# Altium PCB Nixie_PCB.PcbDoc (part 1 of 2)
Units mil, origin at the board's own origin, x right, y up, seen from the top; angles counter-clockwise.
Board outline 9450 x 3149.61 mil, 2 copper layers (Top Layer, Bottom Layer); 131 components, 158 nets, 577 pads, 248 vias.
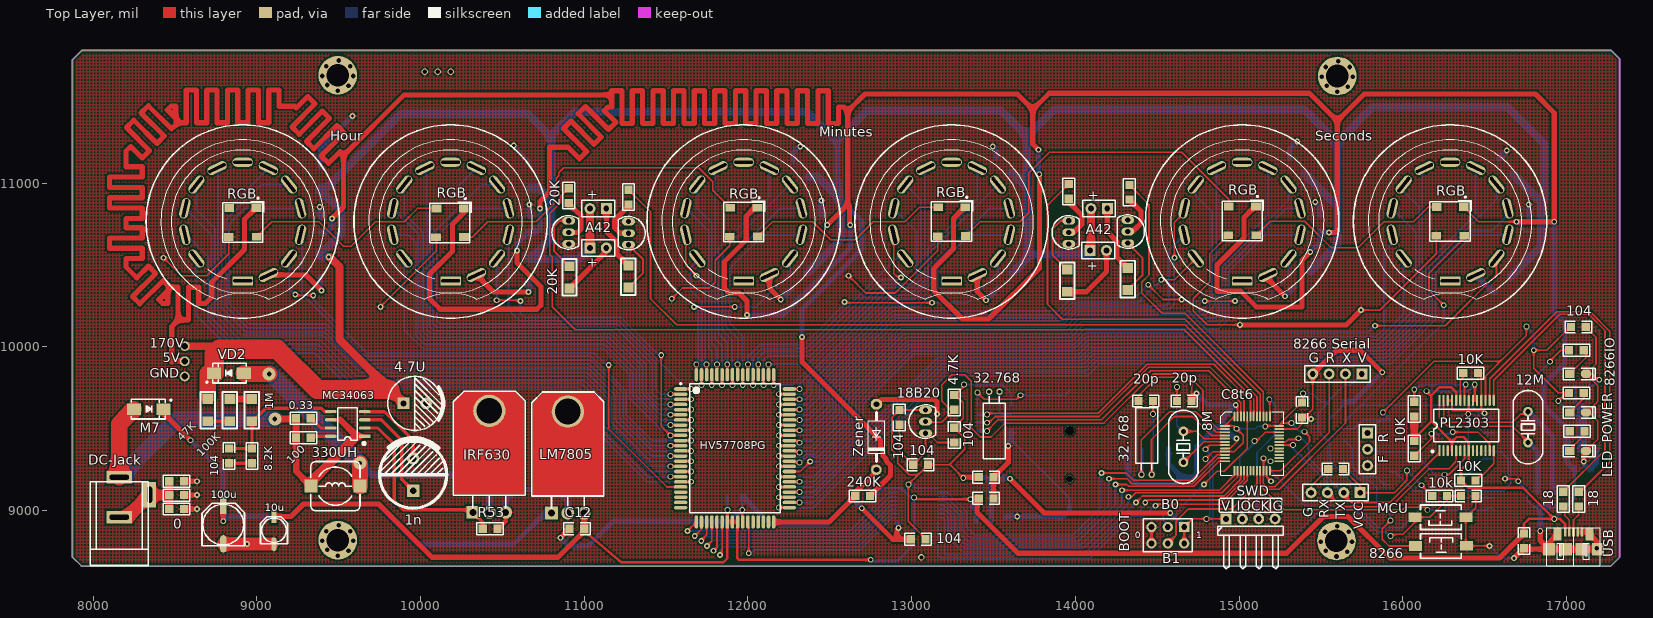
[diagram p0: Top Layer view]
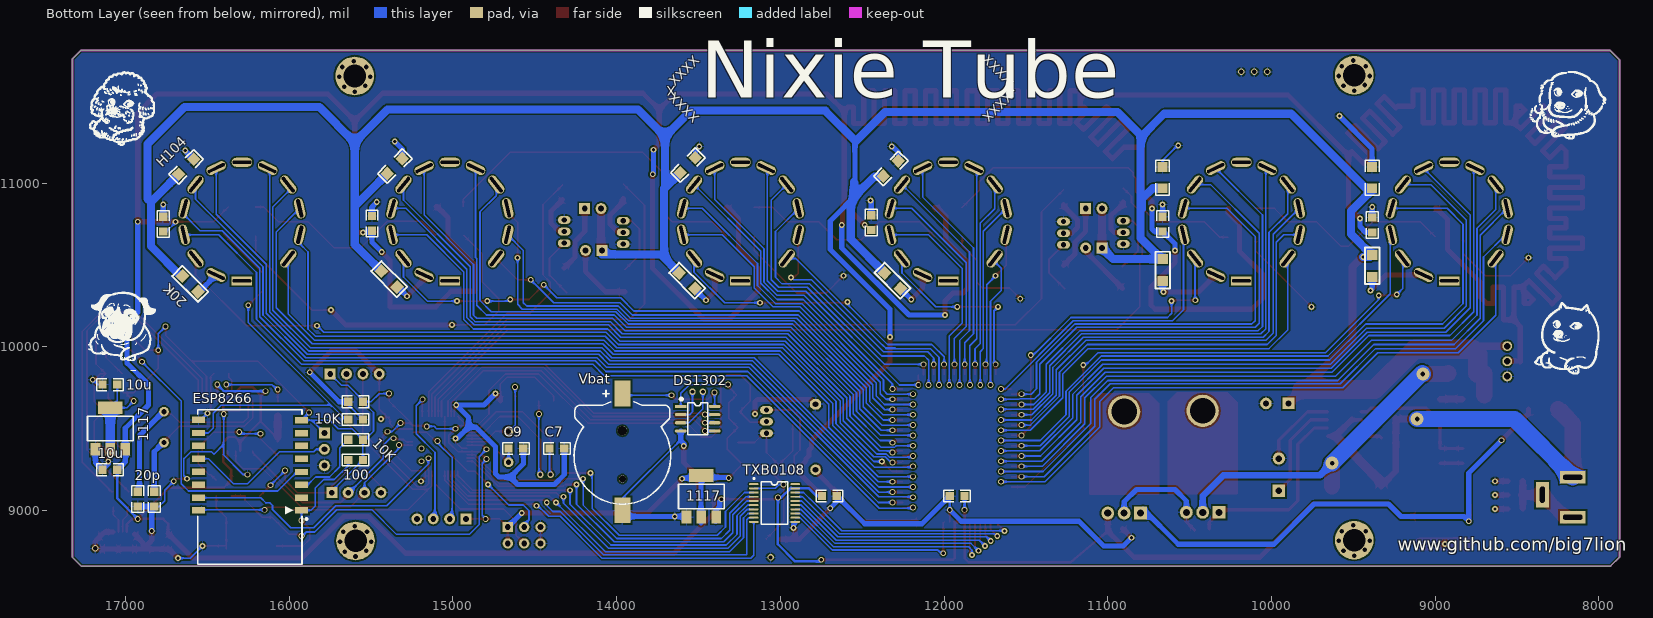
[diagram p1: Bottom Layer view, seen from below]

## Layer stack, top to bottom
Top Solder: solder mask 0.4, Solder Resist, Dk 3.5
Top Layer: signal copper 1.4
Dielectric 1: dielectric 12.6, FR-4, Dk 4.8
Bottom Layer: signal copper 1.4
Bottom Solder: solder mask 0.4, Solder Resist, Dk 3.5

## Board outline
7928.58,8661.42 7874.02,8715.98 7874.02,11754.02 7931.02,11811.02 17273.98,11811.02 17324.02,11760.98 17324.02,8714.02 17271.42,8661.42

## Design rules (kind name [scope] priority, off if disabled: settings)
Clearance [All] p1: gap=6
PolygonConnect [All] p1: connectstyle=Relief reliefconductorwidth=10 reliefentries=4 polygonreliefangle="90 Angle" airgapwidth=10
RoutingVias [All] p1: holewidth=23.62 width=35.43 viastyle="Through Hole" minholewidth=15.75 minwidth=23.62 maxholewidth=28 maxwidth=50
SolderMaskExpansion [All] p1: expansion=4
Width [All] p1: maxlimit=118.11 minlimit=10 preferedwidth=31.5
30 further rules are at their usual default settings.

## Classes and differential pairs
component class Nixie_Sch: C7 C9 C12 LED3 LED4 LED5 LED6 LED7 R53 VD2

## Components (designator, comment, footprint, x,y, rotation, side; value= is the part's Value field where it differs from the comment)
0 "0Ω" "R 0805" 8510,9095 r0 top (schematic designator R00)
0.33 "0.33" "R 0805" 9285,9565 r180 top (schematic designator R52)
1M "1M" "R 1206" 8970,9614.09 r90 top (schematic designator R56)
1n "1n" "CS 5.0*10*13 - C" 9955,9220 r270 top (schematic designator C502)
4.7K "4.7K" "R 0805" 13260,9661.73 r270 top (schematic designator R71)
4.7U "4.7UF/250V" "CAP 3.5*8*11.5 - BK" 9965,9655 r0 top (schematic designator C504)
8.2K "8.2K" "R 0805" 8970,9335 r90 top (schematic designator R57)
8M "8MHz" "XTAL-49S DIP" 14660,9390 r270 top (schematic designator X2)
10K "10k" "R 0805" 15595,9556.67 r180 bottom (schematic designator R63)
10K "100" "R 0805" 15595,9433.33 r0 bottom (schematic designator R61)
10K "10K" "R 0805" 16415,9840 r0 top (schematic designator R13)
10K "10K" "R 0805" 16070,9620 r270 top (schematic designator R12)
10K "10K" "R 0805" 16400,9185 r0 top (schematic designator R11)
10k "10K" "R 0805" 16225,9090 r180 top (schematic designator R1)
10u "10u" "C 0805" 17095,9250 r180 bottom (schematic designator C26)
10u "10u" "C 0805" 17095,9770 r180 bottom (schematic designator C25)
10u "10uF/50V" "CM B(4*5.4)" 9105,8880 r90 top (schematic designator C22)
12M "12MHz" "XTAL-49S DIP" 16765,9510 r90 top (schematic designator X10)
18 "18" "R 0805" 17075,9070 r270 top (schematic designator R15)
18 "18" "R 0805" 16980,9070 r270 top (schematic designator R14)
18B20 "DS18B20" TO92A 13085,9544.13 r0 top (schematic designator U10)
20K "20K" "R 0805" 10905,10925 r90 top (schematic designator R301)
20K "20K" "R 1206" 16605,10385 r225 bottom (schematic designator R39)
20K "20K" "R 1206" 10910,10425 r90 top (schematic designator R35)
20p "20p" "C 0805" 14665,9670 r0 top (schematic designator C101)
20p "20p" "C 0805" 16825,9070 r270 bottom (schematic designator C14)
20p "20p" "C 0805" 14430,9670 r180 top (schematic designator C8)
32.768 "32.768KHz" XTAL-3X8H 13505,9726.73 r270 top (schematic designator X4)
32.768 "32.768KHz" XTAL-3X8H 14435,9220 r90 top (schematic designator X3)
47K "47K" "R 1206" 8700,9614.09 r90 top (schematic designator R54)
100 "10k" "R 0805" 15595,9310 r0 bottom (schematic designator R62)
100 "100" "R 0805" 9285,9445 r180 top (schematic designator R51)
100K "100K" "R 1206" 8835,9614.09 r90 top (schematic designator R55)
100u "100uF/50V" "CM D(6.3*5.4)" 8795,8915 r90 top (schematic designator C21)
104 "104" "C 0805" 8830,9335 r90 top (schematic designator C503)
104 "104" "C 0805" 13260,9461.73 r90 top (schematic designator C71)
104 "104" "C 0805" 17073,10122 r180 top (schematic designator C5)
104 "104" "C 0805" 12925,9570 r90 top (schematic designator C4)
104 "104" "C 0805" 13055,9280 r0 top (schematic designator C3)
104 "104" "C 0805" 13040,8825 r0 top (schematic designator C1)
240K "240k" "R 0805" 12700,9090 r180 top (schematic designator R81)
330UH "330UH" CDRH73 9480,9150 r0 top (schematic designator L51)
1117 "AMS1117-3V3" SOT-223 17095,9505 r180 bottom (schematic designator V2)
1117 "AMS1117-3V3" SOT-223 13485,9090 r180 bottom (schematic designator V1)
8266 "3x6x5" "TSW SMD-3*6*2.5" 16235,8785 r0 top (schematic designator SW2)
"8266 Serial" "HDR-1X4" HDR-1X4 15750,9835 r180 top (schematic designator JP6)
8266IO "BLUE" "LED 0805B" 17070,9836.2 r0 top (schematic designator LED9)
+ "Point" HDR-1X2_M 14195,10845 r180 top (schematic designator Point4)
+ "Point" HDR-1X2_M 14090,10590 r0 top (schematic designator Point3)
+ "Point" HDR-1X2_M 11135,10845 r180 top (schematic designator Point2)
+ "Point" HDR-1X2_M 11035,10605 r0 top (schematic designator Point1)
A42 "A42" TO92A 14320,10705 r180 top (schematic designator Q4)
A42 "A42" TO92A 10905,10700 r0 top (schematic designator Q1)
BOOT "BOOT" HDR-3X2 14665,8900 r180 top (schematic designator JP2)
C2 "104" "C 0805" 15385,9615 r90 top
C6 "104" "C 0805" 15590,9255 r0 top
C7 "20p" "C 0805" 14365,9380 r180 bottom
C8t6 "STM32F103C8T6" LQFP48 14914.29,9518.42 r0 top (schematic designator U1)
C9 "20p" "C 0805" 14615,9380 r180 bottom
C10 "104" "C 0805" 16770,10750 r90 bottom
C11 "104" "C 0805" 12700,9090 r180 bottom
C12 "104" "C 0805" 10955,8890 r180 top
C13 "20p" "C 0805" 16925,9070 r270 bottom
C15 "10u" "C 0805" 16740,8815 r270 top
C16 "10u" "C 0805" 10665,10750 r90 bottom
C17 "104" "C 0805" 15495,10755 r90 bottom
C18 "104" "C 0805" 12445,10760 r90 bottom
C19 "104" "C 0805" 9385,10745 r90 bottom
C23 "10u" "C 0805" 13455,9205 r180 top
C24 "10u" "C 0805" 13455,9075 r180 top
C61 "104" "C 0805" 15595,9665 r0 bottom
C81 "104" "C 0805" 11920,9090 r0 bottom
C102 "104" "C 0805" 16400,9090 r180 top
C304 "104" "C 1206" 9385,11035 r270 bottom
C305 "104" "C 1206" 10665,11035 r270 bottom
C306 "104" "C 1206" 12325,11090 r315 bottom
C307 "104" "C 1206" 13565,11110 r315 bottom
C308 "104" "C 1206" 15355,11105 r315 bottom
DC-Jack "3.5*1.3" DC-005 8160,8960 r270 top (schematic designator CON1)
DS1302 "DS1302" SOP8_N 13505,9561.73 r180 bottom (schematic designator U7)
ESP8266 "ESP-12" ESP_12 15925,9002.44 r0 bottom (schematic designator U6)
H104 "104" "C 1206" 16630,11100 r315 bottom (schematic designator C309)
Hour "Nixie_Header" NIXIE_QS30-1 10185,10769.09 r0 top locked (schematic designator "Nixie 2")
HV57708PG "HV57708PG" HV57708PG 11920,9380 r0 top (schematic designator U8)
IRF630 "IRF630" TO220B 10420,8990 r0 top (schematic designator Q5)
JP4 "HDR-1X4" HDR-1X4 15740,9110 r180 top
JP7 "HDR-1X3" HDR-1X3 15785,9475 r270 top
LED "RED" "LED 0805R" 17070,9365 r0 top (schematic designator LED1)
LM7805 "78M05" TO220B 10900,8985 r0 top (schematic designator U3)
M7 "M7" SMA 8340,9620 r0 top (schematic designator VD1)
MC34063 "MC34063" SOP8_N 9555,9530 r180 top (schematic designator U5)
MCU "3x6x5" "TSW SMD-3*6*2.5" 16230,8960 r180 top (schematic designator SW1)
Minutes "Nixie_Header" NIXIE_QS30-1 13245,10769.09 r0 top locked (schematic designator "Nixie 4")
"Nixie 1" "Nixie_Header" NIXIE_QS30-1 8915,10769.09 r0 top locked
"Nixie 3" "Nixie_Header" NIXIE_QS30-1 11975,10769.09 r0 top locked
"Nixie 5" "Nixie_Header" NIXIE_QS30-1 15020,10769.09 r0 top locked
PL2303 "PL2303" SSOP28_N 16390,9520 r90 top (schematic designator U2)
POWER "GREEN" "LED 0805G" 17070,9600.6 r0 top (schematic designator LED2)
Q2 "A42" TO92A 11270,10695 r180 top
Q3 "A42" TO92A 13960,10700 r0 top
R0 "470" "R 0805" 17061,9719.4 r180 top
R01 "0Ω" "R 0805" 8510,9010 r0 top
R2 "470" "R 0805" 17065,9485 r180 top
R02 "0Ω" "R 0805" 8510,9180 r0 top
R10 "10K" "R 0805" 16070,9380 r270 top
R31 "20K" "R 1206" 10665,10470 r90 bottom
R32 "20K" "R 1206" 11270,10430 r270 top
R33 "20K" "R 1206" 12315,10405 r45 bottom
R34 "20K" "R 1206" 13570,10405 r45 bottom
R36 "20K" "R 1206" 14320,10415 r90 top
R37 "20K" "R 1206" 13950,10405 r90 top
R38 "20K" "R 1206" 15390,10415 r225 bottom
R40 "20K" "R 1206" 9385,10495 r270 bottom
R53 "330" "R 0805" 10425,8890 r180 top
R103 "470" "R 0805" 17061,9980 r180 top
R302 "20K" "R 0805" 11270,10915 r90 top
R303 "20K" "R 0805" 13960,10950 r90 top
R304 "20K" "R 0805" 14330,10945 r90 top
RGB "W2812" W2812 8900,10810 r180 top (schematic designator LED8)
RGB "W2812" W2812 10166,10808 r180 top (schematic designator LED7)
RGB "W2812" W2812 11960,10812 r180 top (schematic designator LED6)
RGB "W2812" W2812 13230,10815 r180 top (schematic designator LED5)
RGB "W2812" W2812 15005,10820 r180 top (schematic designator LED4)
RGB "W2812" W2812 16275,10817 r180 top (schematic designator LED3)
Seconds "Nixie_Header" NIXIE_QS30-1 16290,10769.09 r0 top locked (schematic designator "Nixie 6")
SWD "HDR-1X4" HDR-1X4_H 14920,8950 r0 top (schematic designator JP3)
TXB0108 "TXB0108PWR" TSSOP20_N 13035.98,9046.61 r180 bottom (schematic designator U9)
USB "USB-5P" USB-MICRO_A 17042.5,8817.5 r0 top (schematic designator USB1)
Vbat "1220" CR1220_A 13965,9335 r90 bottom (schematic designator CR1)
VD2 "FR107" SMA 8830,9840 r180 top
Zener "ZENER1" DO41-10 12785,9450 r270 top (schematic designator D1)

## Footprints (in the part's own frame and the unit in brackets; to place one, negate y for a bottom-side part, rotate by r counter-clockwise, add the part's x,y. Pads: shape width x height; smd on the part's side, far side on the other; paste and mask are expansions set on the pad)
"C 0805" [mil] "无极性贴片电容"
  rect 50x50 smd: 1(-45,0) 2(45,0)
  silkscreen extent -81,-36 81,36, body extent -39,-24 39,24, height 20
"C 1206" [mil] "无极性贴片电容"
  rect 60x60 smd: 1(-65,0) 2(65,0)
  silkscreen extent -107,-42 107,42, body extent -63,-32 63,32, height 48
"CAP 3.5*8*11.5 - BK" [mm] "脚距3.5mm直径8mm高度11.5mm"
  rect 1.8x1.8 hole 0.9: A(-1.75,0)
  round 1.8 hole 0.9: K(1.75,0)
  silkscreen extent -4.2,-4.2 4.5,4.2, body extent -4,-4 4.01,4, height 11.54
CDRH73 [mm] "7.3*7.3*3.4mm（长宽高）"
  rect 2x2 smd: 1(-3.81,0) 2(3.81,0)
  silkscreen extent -3.81,-3.81 3.81,3.81, body extent -3.65,-3.65 3.65,3.65, height 3.65
"CM B(4*5.4)" [mm] "贴片电解电容，直径4mm，高5.4mm"
  rect 2.1x0.8 smd: A(2.15,0)
  oval 2.1x0.8 smd: K(-2.15,0)
  silkscreen extent -2.1,-2.1 2.1,2.1, body extent -2.3,-2.12 2.3,2.18, height 5.4
"CM D(6.3*5.4)" [mm] "贴片电解电容，直径6.3mm，高5.4mm"
  rect 2.7x1 smd: A(3,0)
  oval 2.7x1 smd: K(-3,0)
  silkscreen extent -3.3,-3.3 3.3,3.3, body extent -3.5,-3.3 3.5,3.3, height 5.4
CR1220_A [mm] "纽扣电池座"
  round 1.1 hole 1.1: 0(-3.6,0)
  round 1.45 hole 1.45: 0(3.9,0)
  rect 4x2.5 smd: DC+(9.652,0) DC-(-8.458,0)
  silkscreen extent -7.5,-7.5 10.16,7.5, body extent -9.42,-7.45 10.34,7.45, height 4.05
"CS 5.0*10*13 - C" [mm] "脚距5mm , 直径10mm , 高13mm"
  rect 1.9x1.9 hole 1: A(2.5,0)
  round 1.9 hole 1: K(-2.5,0)
  silkscreen extent -5.64,-5.2 5.2,5.2, body extent -5,-5 5,5, height 13.02
DC-005 [mm] "5.5*2.1mm，DC30V,2.5A"
  rect 2x4 hole 0.8 slot 3 at 90 deg: 1(-6.2,0) 2(0,0)
  rect 4x2 hole 0.8 slot 2.5 at 0 deg: 3(-3.5,4.7)
  silkscreen extent -5.48,-4.5 7.5,4.5, body extent -6.55,-4.5 7.5,4.8, height 11.2
DO41-10 [mil]
  oct 65x65 hole 35: A(-200,0)
  round 65 hole 35: K(200,0)
  silkscreen extent -150,-50 150,50, body extent -215,-51 215,51, height 100
ESP_12 [mm]
  rect 2x1 smd: 1(0,0) 2(0,-1.97) 3(0,-3.97) 4(0,-5.94) 5(0,-7.98) 6(0,-9.99) 7(0,-11.98) 8(0,-13.99) 9(16,-14.03) 10(16,-11.99) 11(16,-10.03) 12(16,-8.01) 13(16,-5.95) 14(16,-3.97) 15(16,-1.95) 16(16,0.03)
  silkscreen extent -0.91,-15.57 16.08,8.37, body extent 0,-15.49 16,8.89, height 3.03
HDR-1X2_M [mm] "排母，2脚"
  rect 1.7x1.7 hole 0.9: 1(0,0)
  round 1.7 hole 0.9: 2(2.54,0)
  silkscreen extent -1.27,-1.27 3.81,1.27, body extent -1.27,-1.27 3.81,1.27, height 8.5
HDR-1X3 [mm] "排针，3脚"
  rect 1.7x1.7 hole 0.9: 1(0,0)
  round 1.7 hole 0.9: 2(2.54,0) 3(5.08,0)
  silkscreen extent -1.27,-1.27 6.35,1.27, body extent -1.27,-1.27 6.35,1.27, height 8.5
HDR-1X4 [mm] "排针，4脚"
  rect 1.7x1.7 hole 0.9: 1(0,0)
  round 1.7 hole 0.9: 2(2.54,0) 3(5.08,0) 4(7.62,0)
  silkscreen extent -1.27,-1.27 8.89,1.27, body extent -1.27,-1.27 8.89,1.27, height 8.5
HDR-1X4_H [mm] "弯脚排针，4脚"
  rect 1.7x1.7 hole 0.9: 1(0,0)
  round 1.7 hole 0.9: 2(2.54,0) 3(5.08,0) 4(7.62,0)
  silkscreen extent -1.27,-7.76 8.89,-1.14, body extent -1.27,-7.77 8.89,1.27, height 4.85
HDR-3X2 [mm] "双排排针，3x2脚"
  rect 1.6x1.6 hole 0.9: 1(0,0)
  round 1.6 hole 0.9: 2(0,2.54) 3(2.54,0) 4(2.54,2.54) 5(5.08,0) 6(5.08,2.54)
  silkscreen extent -1.27,-1.27 6.35,3.81, body extent -1.27,-1.27 6.35,3.81, height 8.5
HV57708PG [mm]
  oval 2.05x0.55 smd: 1(-8.4,9.225) 2(-8.4,8.425) 3(-8.4,7.625) 4(-8.4,6.825) 5(-8.4,6.025) 6(-8.4,5.225) 7(-8.4,4.425) 8(-8.4,3.625) 9(-8.4,2.825) 10(-8.4,2.025) 11(-8.4,1.225) 12(-8.4,0.425) 13(-8.4,-0.375) 14(-8.4,-1.175) 15(-8.4,-1.975) 16(-8.4,-2.775) 17(-8.4,-3.575) 18(-8.4,-4.375) 19(-8.4,-5.175) 20(-8.4,-5.975) 21(-8.4,-6.775) 22(-8.4,-7.575) 23(-8.4,-8.375) 24(-8.4,-9.175) 41(8.45,-9.175) 42(8.45,-8.375) 43(8.45,-7.575) 44(8.45,-6.775) 45(8.45,-5.975) 46(8.45,-5.175) 47(8.45,-4.375) 48(8.45,-3.575) 49(8.45,-2.775) 50(8.45,-1.975) 51(8.45,-1.175) 52(8.45,-0.375) 53(8.45,0.425) 54(8.45,1.225) 55(8.45,2.025) 56(8.45,2.825) 57(8.45,3.625) 58(8.45,4.425) 59(8.45,5.225) 60(8.45,6.025) 61(8.45,6.825) 62(8.45,7.625) 63(8.45,8.425) 64(8.45,9.225)
  oval 0.55x2.05 smd: 25(-5.975,-11.4) 26(-5.175,-11.4) 27(-4.375,-11.4) 28(-3.575,-11.4) 29(-2.775,-11.4) 30(-1.975,-11.4) 31(-1.175,-11.4) 32(-0.375,-11.4) 33(0.425,-11.4) 34(1.225,-11.4) 35(2.025,-11.4) 36(2.825,-11.4) 37(3.625,-11.4) 38(4.425,-11.4) 39(5.225,-11.4) 40(6.025,-11.4) 65(6.025,11.45) 66(5.225,11.45) 67(4.425,11.45) 68(3.625,11.45) 69(2.825,11.45) 70(2.025,11.45) 71(1.225,11.45) 72(0.425,11.45) 73(-0.375,11.45) 74(-1.175,11.45) 75(-1.975,11.45) 76(-2.775,11.45) 77(-3.575,11.45) 78(-4.375,11.45) 79(-5.175,11.45) 80(-5.975,11.45)
  silkscreen extent -8.52,-9.97 7.03,10.18, body extent -6.97,-9.97 7.03,10.03, height 3.4
"LED 0805B" [mil] "蓝色0805LED"
  rect 60x50 smd: A(-50,0)
  oct 60x50 smd: K(50,0)
  silkscreen extent -90,-35 105,35, body extent -39,-25 39,25, height 32
"LED 0805G" [mil] "绿色0805LED"
  rect 60x50 smd: A(-50,0)
  oct 60x50 smd: K(50,0)
  silkscreen extent -90,-35 105,35, body extent -39,-25 39,25, height 32
"LED 0805R" [mil] "红色0805LED"
  rect 60x50 smd: A(-50,0)
  oct 60x50 smd: K(50,0)
  silkscreen extent -90,-35 105,35, body extent -39,-25 39,25, height 32
LQFP48 [mm]
  rect 1.5x0.3 smd: 1(0,0)
  oval 1.5x0.3 smd: 2(0,-0.5) 3(0,-1) 4(0,-1.5) 5(0,-2) 6(0,-2.5) 7(0,-3) 8(0,-3.5) 9(0,-4) 10(0,-4.5) 11(0,-5) 12(0,-5.5) 25(8.4,-5.5) 26(8.4,-5) 27(8.4,-4.5) 28(8.4,-4) 29(8.4,-3.5) 30(8.4,-3) 31(8.4,-2.5) 32(8.4,-2) 33(8.4,-1.5) 34(8.4,-1) 35(8.4,-0.5) 36(8.4,0)
  oval 0.3x1.5 smd: 13(1.45,-6.95) 14(1.95,-6.95) 15(2.45,-6.95) 16(2.95,-6.95) 17(3.45,-6.95) 18(3.95,-6.95) 19(4.45,-6.95) 20(4.95,-6.95) 21(5.45,-6.95) 22(5.95,-6.95) 23(6.45,-6.95) 24(6.95,-6.95) 37(6.95,1.45) 38(6.45,1.45) 39(5.95,1.45) 40(5.45,1.45) 41(4.95,1.45) 42(4.45,1.45) 43(3.95,1.45) 44(3.45,1.45) 45(2.95,1.45) 46(2.45,1.45) 47(1.95,1.45) 48(1.45,1.45)
  silkscreen extent -0.7,-7.65 9.1,2.15, body extent 0.68,-6.3 7.7,0.72, height 0.78
NIXIE_QS30-1 [mm] "QS30-1底座插针的封装"
  rect 3.2x1.4 hole 0.5 slot 2.9 at 0 deg: 1(-0.025,-9.276)
  oval 3.2x1.4 hole 0.5 slot 2.9 at 25.71 deg rot 25.71: 2(3.966,-8.365) 9(-4.017,8.213)
  oval 3.2x1.4 hole 0.5 slot 2.9 at 51.43 deg rot 51.43: 3(7.167,-5.812) 10(-7.218,5.66)
  oval 3.2x1.4 hole 0.5 slot 2.9 at 77.14 deg rot 77.14: 4(8.944,-2.123) 11(-8.995,1.971)
  oval 3.2x1.4 hole 0.5 slot 2.9 at 106.06 deg rot 102.86: 5(8.944,1.971)
  oval 3.2x1.4 hole 0.5 slot 2.9 at 128.57 deg rot 128.57: 6(7.167,5.66) 13(-7.218,-5.812)
  oval 3.2x1.4 hole 0.5 slot 2.9 at 154.29 deg rot 154.29: 7(3.966,8.213)
  oval 3.2x1.4 hole 0.5 slot 2.9 at 0 deg: 8(-0.025,9.124)
  oval 3.2x1.4 hole 0.5 slot 2.9 at 102.86 deg rot 102.86: 12(-8.995,-2.123)
  silkscreen extent -15.03,-15.08 14.97,14.92
"R 0805" [mil] "1/8W贴片电阻"
  rect 50x50 smd: 1(-45,0) 2(45,0)
  silkscreen extent -81,-36 81,36, body extent -39,-25 39,25, height 20
"R 1206" [mil] "1/4W贴片电阻"
  rect 60x62.99 smd: 1(-67.5,0) 2(67.5,0)
  silkscreen extent -112,-44 111,44, body extent -63,-31 63,32, height 22
SMA [mm] "4.5x2.6*2.2mm（长宽高，不包括引脚）"
  rect 2.2x1.75 smd: A(-2.3,0) K(2.3,0)
  silkscreen extent -2.7,-1.52 3.56,1.52, body extent -2.53,-1.3 2.58,1.3, height 2.15
SOP8_N [mm] "5*6*1.8mm（长宽高）"
  rect 1.8x0.5 smd: 1(-2.625,1.905)
  oval 1.8x0.5 smd: 2(-2.625,0.635) 3(-2.625,-0.635) 4(-2.625,-1.905) 5(2.625,-1.905) 6(2.625,-0.635) 7(2.625,0.635) 8(2.625,1.905)
  silkscreen extent -2.69,-2.5 1.52,3.2, body extent -3,-2.5 3,2.5, height 1.9
SOT-223 [mil]
  rect 59x79 smd: 1(-88,-130) 2(2.55,-130) 3(93.1,-130)
  rect 150x79 smd: 2(1.88,123.54)
  silkscreen extent -137,-78 143,72, body extent -126,-139 130,135, height 67
SSOP28_N [mm] "10.2*7.8*1.9mm(长宽高）"
  rect 1.7x0.35 smd: 1(-3.9,4.225)
  oval 1.7x0.35 smd: 2(-3.9,3.575) 3(-3.9,2.925) 4(-3.9,2.275) 5(-3.9,1.625) 6(-3.9,0.975) 7(-3.9,0.325) 8(-3.9,-0.325) 9(-3.9,-0.975) 10(-3.9,-1.625) 11(-3.9,-2.275) 12(-3.9,-2.925) 13(-3.9,-3.575) 14(-3.9,-4.225) 15(3.9,-4.225) 16(3.9,-3.575) 17(3.9,-2.925) 18(3.9,-2.275) 19(3.9,-1.625) 20(3.9,-0.975) 21(3.9,-0.325) 22(3.9,0.325) 23(3.9,0.975) 24(3.9,1.625) 25(3.9,2.275) 26(3.9,2.925) 27(3.9,3.575) 28(3.9,4.225)
  silkscreen extent -4.13,-5 2.54,5.43, body extent -3.85,-5.1 3.85,5.1, height 1.65
TO92A [mm] "92晶体管"
  oval 2x1.2 hole 0.8: 1(0,-1.8) 2(0,0) 3(0,1.8)
  silkscreen extent -2.6,-2.6 1.6,2.6, body extent -2.3,-2.3 1.3,2.3, height 7.6
TO220B [mm] "220，3脚晶体管"
  round 5 hole 4: 0(0,15.748)
  rect 2x2 hole 1.1: 1(-2.54,0)
  round 2 hole 1.1: 2(0,0) 3(2.54,0)
  Top Layer region: 3.81,17.526 4.445,17.526 4.445,18.034 3.81,18.034
  Top Layer region: 4.445,16.891 5.143,16.891 5.143,17.335 4.445,17.335
  Top Layer region: -4.826,17.018 -4.572,17.018 -4.572,17.526 -4.826,17.526
  Top Layer region: -4.318,17.653 -3.81,17.653 -3.81,18.034 -4.318,18.034
  Top Layer region: -4.572,16.891 -3.81,16.891 -3.81,17.653 -4.572,17.653
  Top Layer region: 4.064,16.891 4.699,16.891 4.699,17.78 4.064,17.78
  Top Layer region: -3.81,16.891 4.064,16.891 4.064,18.542 -3.81,18.542
  Top Layer region: -5.334,2.921 5.334,2.921 5.334,17.018 -5.334,17.018
  Top Layer lines w0.254: -5.207,16.891 -3.81,18.288 ; -4.826,17.018 -3.81,18.034 ; 3.937,18.288 4.826,17.272 5.334,17.018 4.699,17.526 ; -5.334,2.921 -5.08,2.921 5.334,2.921 5.334,3.429 5.334,17.145 4.953,17.526 3.937,18.542 3.429,18.542 -3.81,18.542 -4.826,17.526 -5.334,17.018 -5.334,16.637 -5.334,2.921
  silkscreen extent -5.59,0.69 5.59,18.8, body extent -5.15,-0.25 5.15,18.5, height 4.43
TSSOP20_N [mm] "6.5*6.4*1（长宽高）"
  oval 1.5x0.3 smd: 1(-3.2,2.925) 2(-3.2,2.275) 3(-3.2,1.625) 4(-3.2,0.975) 5(-3.2,0.325) 6(-3.2,-0.325) 7(-3.2,-0.975) 8(-3.2,-1.625) 9(-3.2,-2.275) 10(-3.2,-2.925) 11(3.2,-2.925) 12(3.2,-2.275) 13(3.2,-1.625) 14(3.2,-0.975) 15(3.2,-0.325) 16(3.2,0.325) 17(3.2,0.975) 18(3.2,1.625) 19(3.2,2.275) 20(3.2,2.925)
  silkscreen extent -3.3,-3.3 2.03,3.94, body extent -3.2,-3.25 3.2,3.25, height 1.03
"TSW SMD-3*6*2.5" [mm] "3*6*2.5mm"
  rect 2x1.5 smd: 1(-3.996,-0.02) 2(3.937,0)
  silkscreen extent -3.21,-1.9 3.09,1.9, body extent -4,-1.88 4,1.62, height 2.59
USB-MICRO_A [mm] "micro型USB ，5.9*8.2*2.5mm"
  rect 0.4x1.4 smd: 1(-1.283,1.333) 2(-0.635,1.333) 3(0.013,1.333) 4(0.66,1.333) 5(1.308,1.333)
  rect 1.9x1.9 smd: 5(-3.797,-1.333) 5(-1.206,-1.333) 5(1.232,-1.333) 5(3.797,-1.333)
  rect 1.25x2 smd: 5(-2.451,1.003) 5(2.476,1.003)
  silkscreen extent -4.13,-3.91 4.13,1.99, body extent -4.1,-3.91 4.1,2.02, height 2.77
W2812 [mm]
  rect 1.5x1.2 smd: 1(-2.489,-0.97) 2(1.727,-0.97) 3(1.803,3.505) 4(-2.54,3.48)
  silkscreen extent -3.73,-2.65 2.77,4.32, body extent -3.11,-1.26 2.39,3.74, height 1.55
XTAL-3X8H [mm]
  round 1 hole 0.6: 1(0,-0.8) 2(0,0.8)
  silkscreen extent 0.7,-1.7 10.41,1.7, body extent -0.18,-1.5 10.18,1.5, height 3.15
"XTAL-49S DIP" [mm]
  round 1.5 hole 0.8: 1(-2.4,0) 2(2.4,0)
  silkscreen extent -5.7,-2.28 5.7,2.28, body extent -5.68,-2.35 5.68,2.3, height 3.5

## Part data
0 0.33 1M 4.7K 8.2K 10K 10K 10K 10K 10K 10k 18 18 20K 20K 20K 47K 100 100 100K 240K R0 R01 R2 R02 R10 R31 R32 R33 R34 R36 R37 R38 R40 R53 R103 R302 R303 R304: library part R, "贴片电阻"
1n: library part C-CS, "直插固态电容"
4.7U: library part C-CAP, "直插电解电容"
8M 12M 32.768 32.768: library part XTAL-2, "2脚晶振"
10u 10u 20p 20p 20p 104 104 104 104 104 104 C2 C6 C7 C9 C10 C11 C12 C13 C15 C16 C17 C18 C19 C23 C24 C61 C81 C102 C304 C305 C306 C307 C308 H104: library part C, "无极性贴片电容"
10u 100u: library part C-CM, "贴片电解电容"
18B20: "数字温度计"
330UH: library part L-CDRH, "功率屏蔽电感"
1117 1117: library part AMS1117, "三端稳压芯片"
8266 MCU: library part "TSW 3x6", "3x6轻触开关"
"8266 Serial" JP4 SWD: library part "Header 4", "4P接插件"
8266IO LED POWER: library part LED-SMD, "贴片LED"
A42 A42 Q2 Q3: library part 9013-DIP, "低频放大-NPN型"
BOOT: library part "Header 3X2", "3*2P接插件"
C8t6: "32位STM单片机"
DC-Jack: library part P-DC, "低压电源接口"
DS1302: "实时时钟芯片"
Hour Minutes "Nixie 1" "Nixie 3" "Nixie 5" Seconds: library part Nixie, "QS30-1"
HV57708PG: "串转并"
IRF630: library part IRF3710, "N沟场效应管"
JP7: library part "Header 3", "3P接插件"
LM7805: "CI-78M05"
M7: "肖特基二极管"
PL2303: "PL2303HXA"
TXB0108: "逻辑电平转换芯片"
USB: "微型USB母座"
Vbat: library part CR-3V, "微型电池"
VD2: "快恢复整流二极管"
Zener: "Zener Diode"

## Free pads (board coordinates)
  round 60 hole 39.37: 2(8560,9912.5) 2(8560,10005) 9(8560,9820)
  round 236.22 hole 137.8: 5(9495,8820) 6(9495,11660) 7(15600,11655) 8(15595,8815)

## Via types
v1: diameter 35.43, hole 23.62, Top Layer to Bottom Layer, 109 vias
v2: diameter 35.43, hole 19.68, Top Layer to Bottom Layer, 99 vias
v3: diameter 39.37, hole 28, Top Layer to Bottom Layer, 36 vias
v4: diameter 78.74, hole 28, Top Layer to Bottom Layer, 3 vias
v5: diameter 39.37, hole 23.62, Top Layer to Bottom Layer, 1 vias

## Nets (pads, with @x,y where several pads share a name; then routed paths per layer and width w, separated by ;. In a path a pad name is that pad's centre, name@x,y a point inside that pad or via, vN(x,y) a via of type N, cw(c..) or ccw(c..) an arc to the next point about the centre after c; other vN are vias at no path point)
3V3: 4.7K.1 10K.1@15550,9433.33 10k.2 10u.2@17050,9770 18B20.3 100.1@15550,9310 104.2@12925,9615 104.2@13085,8825 104.2@13100,9280 104.2@13260,9506.73 104.2@17028,10122 1117.2 "8266 Serial.1" BOOT.1 BOOT.2 C2.2 C6.2 C8t6.1 C8t6.9 C8t6.24 C8t6.36 C8t6.48 C23.2 C61.1 DS1302.1 ESP8266.8 JP4.1 JP7.1 PL2303.17 R0.2 SWD.1 TXB0108.2 | length 12301
  Top Layer w10: 104.2@13085,8825 13087.5,8827.5 12980,8935 v1(12980,9160) 13040,9220 ; 18B20.3@13085,9631.69 13068.31,9615 104.2@12925,9615 12880,9570 12880,9370 12915,9335 12915,9290 12985,9220 13040,9220 ; v1(13315,9200) 13235,9280 13230,9280 ; v1(13320,9770) 13320,9760 13266.73,9706.73 13315,9658.46 13315,9565 13260,9510 104.2@13260,9506.73 13325,9441.73 13325,9375 13230,9280 ; BOOT.2@14665,8800 BOOT.1@14665,8900 14715,8950 v1(14800,8950) SWD.1@14920,8950 ; v1(14795,9315) 14840.95,9360.95 C8t6.9@14914.29,9360.95 14970.95,9360.95 15025,9415 15025,9460 v1(14985,9500) 14966.57,9518.43 C8t6.1@14914.29,9518.43 C8t6.48@14971.38,9575.51 ; v1(15160,9515) 15163.43,9518.43 C8t6.36@15245,9518.43 15261.57,9535 ; C8t6.24@15187.91,9244.8 15254.8,9244.8 15430,9420 15430,9452.5 v1(15400,9482.5) ; v1(15320,9535) 15261.57,9535 ; v1(15390,9715) 15390,9670 15261.57,9541.57 15261.57,9535 ; C6.2@15635,9255 15740,9150 JP4.1@15740,9110 15950,9110 16025,9185 v1(16025,9245) ; v1(15878.23,9600) 16190.73,9912.5 16597.5,9912.5 ; v1(16115,9155) 10k.2@16180,9090 ; PL2303.17@16505.16,9673.54 16505.16,9820.16 16597.5,9912.5 ; v1(16755,10125) 16755,10070 16597.5,9912.5 ; v1(16950,9670) R0.2@16999.4,9719.4 ; R0.2@17016,9719.4 R0.2@16999.4,9719.4 ; 104.2@17028,10122 17025,10125 16880,9980 v1(16800,9980) 16800,9870 16950.6,9719.4 R0.2@16999.4,9719.4 ; 13040,9220 104.2@13100,9280 13230,9280
  Top Layer w31.5: v1(13315,9200) 13320,9205 C23.2@13410,9205 ; v2(13600,9195) 13810,8985 v2(14580,8985)
  Bottom Layer w10: v1(12980,9160) 13007.36,9160 13031.18,9136.18 TXB0108.2@13161.97,9136.18 ; v1(13320,9770) 13555,9770 13608.35,9716.65 DS1302.1@13608.35,9636.73 ; v1(14795,9315) 14820,9290 14820,8970 v1(14800,8950) ; v1(14985,9500) 15100,9500 15115,9515 v1(15160,9515) ; v1(15320,9535) 15372.5,9482.5 v1(15400,9482.5) ; v1(15390,9715) 15450,9715 15500,9665 C61.1@15550,9665 ; JP4.1@15740,9110 15740,9120 100.1@15550,9310 10K.1@15550,9433.33 ; 15750,9835 15680,9765 15640,9765 15550,9675 C61.1@15550,9665 ; JP7.1@15785,9475 15863.23,9553.23 ; v1(15878.23,9600) ESP8266.8@15925,9553.23 15863.23,9553.23 ; v1(16025,9245) v1(16115,9155) ; v1(16755,10125) 16800,10080 v1(16800,9980) ; v1(16950,9670) 16991.46,9628.54 1117.2@17093.12,9628.54 17050,9671.66 10u.2@17050,9770 ; 1117.2@17092.45,9375 1117.2@17093.12,9375.67 ; 10K.1@15550,9433.33 15536.67,9433.33 15485,9485 15485,9600 C61.1@15550,9665 ; 10K.1@15550,9433.33 15616.67,9500 15700,9500 15753.23,9553.23 15863.23,9553.23
  Bottom Layer w31.5: v1(13315,9200) 13318.54,9203.54 13453.12,9203.54 13485,9171.66 1117.2@13485,8925 ; 1117.2@13488.12,9198.54 13596.46,9198.54 v2(13600,9195) ; v2(14580,8985) BOOT.1@14665,8900
  Bottom Layer w59.06: 1117.2@17093.12,9375.67 1117.2@17093.12,9628.54
5V: 10K.1@16355,9185 10K.2@16070,9575 10u.2@17050,9250 10u.A 1117.3 C10.1 C11.1 C12.1 C15.1 C16.1 C17.1 C18.1 C19.1 C24.2 C81.1 HV57708PG.31 HV57708PG.32 HV57708PG.33 LM7805.3 pad.2@8560,9912.5 PL2303.4 PL2303.8 PL2303.19 PL2303.20 PL2303.24 R10.1 RGB.1 TXB0108.19 USB.1 | length 51383
  Top Layer w10: RGB.1@16373,10855.19 16463.19,10765 v2(16695,10765)
  Top Layer w15: C12.1@11000,8875 11225,8685 11850,8685 11873.76,8708.76 HV57708PG.31@11873.76,8931.2 ; v1@11873.76,9003.76 HV57708PG.31@11873.76,8931.2 ; v2(12750,8700) 11945,8700 11935,8710 11935,8929.45 HV57708PG.33@11936.75,8931.2 HV57708PG.32@11905.25,8931.2 HV57708PG.31@11873.76,8931.2 ; v1(13015,9080) 13020,9085 13035,9070 v1(13360,9070) ; R10.1@16070,9425 16070,9440.87 16175,9545.87 16300.43,9420.43 ; v1(16145,9730) 16170,9705 16175,9705 ; 16175,9555 16175,9705 ; PL2303.4@16300.43,9366.46 16300.43,9420.43 ; PL2303.24@16326.02,9673.54 16326.02,9723.98 16295,9755 16225,9755 16175,9705 ; PL2303.20@16428.39,9673.54 16445,9673.54 16440,9678.54 v1(16440,9770) ; C15.1@16740,8860 16740,8920 16770,8950 v1(16925,8950) ; USB.1@16992,8870 16992,8918 16960,8950 v1(16925,8950) ; 16300.43,9420.43 16330,9450 16370,9450 16402.8,9417.2 PL2303.8@16402.8,9366.46 16402.8,9297.8 16355,9250 10K.1@16355,9185 16400,9140 16735,9140 v1(16925,8950)
  Top Layer w31.5: pad.2@8555,9915 8485,9915 8480,9910 8480,10125.51 8519.49,10165 ; RGB.1@8998,10848.19 8993.19,10848.19 8925,10780 8925,10595 8725,10395 8725,10305 8685,10265 8645.47,10265 8645.47,10365 8582.48,10365 8582.48,10165 8519.49,10165 ; 10u.A@9105,8964.65 9209.65,8964.65 9285,9040 9745,9040 10070,8715 10840,8715 11000,8875 C12.1@11000,8890 LM7805.3@11000,8985 ; v2(9460,10785) 9530,10855 9530,11170 ; RGB.1@10264,10846.19 10264,10819 10195,10750 10195,10585 10055,10445 10055,10295 10120,10230 10710,10230 10735,10255 10735,10370 10590,10515 v2(10590,10590) ; v2(10730,10845) 10730,10890 10788.25,10948.25 10788.25,11220 10900,11220 10970.73,11149.31 11015.27,11193.85 10873.85,11335.27 10918.39,11379.81 11059.81,11238.39 11104.36,11282.93 10962.93,11424.36 11007.48,11468.9 11148.9,11327.48 11193.44,11372.02 11122.73,11442.73 11145,11465 11167.68,11465 11167.68,11540 ; v2(11995,10195) 11995,10280 11945,10330 11885,10330 11855,10360 11855,10520 11990,10655 11990,10800 12040.19,10850.19 RGB.1@12058,10850.19 ; v2(12485,10745) 12610,10870 ; v2(12625,10745) 12620,10745 12620,10860 12610,10870 ; RGB.1@13328,10853.19 13323.19,10853.19 13255,10785 13255,10600 13135,10480 13135,10345 13310,10170 13470,10170 13780,10480 v2(13780,11055) ; v1(13360,9070) 13385,9070 13400,9085 C24.2@13410,9075 13400,9065 13400,8990 13650,8740 15290,8740 15515,8965 15665,8965 15920,8710 16590,8710 C15.1@16740,8860 ; v2(13775,11205) 13740,11240 13740,11450 ; RGB.1@15103,10858.19 15098.19,10858.19 15030,10790 15030,10665 14865,10500 14865,10345 14870,10340 15010,10340 15105,10245 15385,10245 15385,10530 v2(15435,10580) ; v2(15550,10700) 15590,10700 15600,10710 15600,11380 ; v2(16695,10765) 16700,10760 16705,10765 v2(16925,10765) 16925,11430 16810,11545 15765,11545 15600,11380 ; 8456.5,10345.62 8456.5,10365 8466.42,10365 ; 8456.5,10345.62 8456.5,10265 8425,10265 8400.44,10289.56 8456.5,10345.62 ; 8456.5,10345.62 8471.15,10360.27 8466.42,10365 ; 8466.42,10365 8426.61,10404.81 8285.19,10263.39 8240.64,10307.93 8382.07,10449.36 8337.52,10493.9 8266.81,10423.19 8200,10490 8200,10539.53 8300,10539.53 8300,10602.52 8100,10602.52 8100,10665.51 8300,10665.51 8300,10728.5 8200,10728.5 8200,10785.55 8300,10785.55 8300,10848.54 8100,10848.54 8100,10911.54 8300,10911.54 8300,10974.53 8100,10974.53 8100,11037.52 8300,11037.52 8300,11100.51 8200,11100.51 8200,11195 8230.02,11225.02 8300.73,11154.31 8345.27,11198.85 8203.85,11340.27 8248.39,11384.81 8389.81,11243.39 8434.36,11287.93 8292.93,11429.36 8337.48,11473.9 8478.9,11332.48 8516.42,11370 ; 8466.42,10365 8519.49,10365 8519.49,10165 ; 8505.59,11394.87 8523.44,11377.02 8516.42,11370 ; 8505.59,11394.87 8452.73,11447.73 8475,11470 8505.59,11470 8505.59,11394.87 ; 8505.59,11394.87 8505.59,11370 8516.42,11370 ; 8516.42,11370 8568.58,11370 8568.58,11570 8631.57,11570 8631.57,11370 8694.57,11370 8694.57,11570 8757.56,11570 8757.56,11370 8820.55,11370 8820.55,11570 8883.54,11570 8883.54,11370 8946.54,11370 8946.54,11570 9009.53,11570 9009.53,11370 9072.52,11370 9072.52,11570 9135.51,11570 9135.51,11470 9230,11470 9240.48,11459.52 9311.19,11530.24 9355.73,11485.69 9214.31,11344.27 9258.85,11299.73 9400.27,11441.15 9444.81,11396.61 9303.39,11255.19 9347.93,11210.64 9489.36,11352.07 9533.9,11307.52 9392.48,11166.1 9437.02,11121.56 9507.73,11192.27 9530,11170 ; 9530,11170 9900,11540 11167.68,11540 ; 11167.68,11540 11167.68,11565 11230.67,11565 11230.67,11365 11293.66,11365 11293.66,11565 11356.65,11565 11356.65,11365 11419.64,11365 11419.64,11565 11482.64,11565 11482.64,11365 11545.63,11365 11545.63,11565 11608.62,11565 11608.62,11365 11671.61,11365 11671.61,11565 11734.61,11565 11734.61,11365 11797.6,11365 11797.6,11565 11860.59,11565 11860.59,11365 11923.58,11365 11923.58,11565 11986.57,11565 11986.57,11365 12049.57,11365 12049.57,11565 12112.56,11565 12112.56,11365 12175.55,11365 12175.55,11565 12238.54,11565 12238.54,11365 12301.54,11365 12301.54,11565 12364.53,11565 12364.53,11365 12427.52,11365 12427.52,11565 12490.51,11565 12490.51,11365 12553.5,11365 12553.5,11465 12585,11465 12610,11440 ; 12610,10870 12610,11440 ; 12610,11440 12715,11545 13645,11545 13740,11450 ; 13740,11450 13840,11550 15430,11550 15600,11380
  Top Layer w47.24: 16070,9450 10K.2@16070,9575
  Bottom Layer w10: v2(16695,10765) 16695,10760 16750,10705 C10.1@16770,10705
  Bottom Layer w15: v1(11875,9005) C81.1@11875,9090 ; C11.1@12745,9090 12780,9090 12826.18,9136.18 TXB0108.19@12910,9136.18 12938.82,9136.18 12995,9080 v1(13015,9080) 13015,8795 12910,8690 12760,8690 v2(12750,8700) ; v1(16145,9730) 16400,9730 v1(16440,9770) ; v1(16925,8950) 17050,9075 10u.2@17050,9250
  Bottom Layer w31.5: C19.1@9385,10700 9425,10700 9460,10735 v2(9460,10785) ; v2(10590,10590) 10590,10630 C16.1@10665,10705 10715,10705 10730,10720 v2(10730,10845) ; v2(11995,10195) 12215,10195 12625,10605 v2(12625,10745) ; 13370,9055 13370,9025 13395,9000 1117.3@13395,8935 ; v2(13775,11205) 13775,11060 v2(13780,11055) ; v2(15435,10580) 15495,10640 C17.1@15495,10710 15505,10700 v2(15550,10700) ; v2(16925,10765) 16925,10210 16990,10145 16990,9900 16860,9770 16860,9645 17001.9,9503.1 1117.3@17001.9,9375 17001.9,9298.1 10u.2@17050,9250
12V: 0.33.2 100.2@9240,9445 330UH.1 DC-Jack.1 M7.A MC34063.1 MC34063.6 | length 2803.8
  Top Layer w20: 0.33.2@9235,9560 0.33.2@9240,9565 ; 330UH.1@9330,9150 330UH.1@9330,9175 ; MC34063.6@9451.65,9555 9510,9555 ; 9610,9455 MC34063.1@9658.35,9455
  Top Layer w39.37: v4(9110,9560) 0.33.2@9235,9560 ; 0.33.2@9240,9565 100.2@9240,9445 9240,9240 330UH.1@9330,9150 ; 9510,9555 9610,9455
  Top Layer w59.06: 330UH.1@9330,9175 9610,9455
  Top Layer w100: DC-Jack.1@8160,9204.09 8160,9530.55 M7.A@8249.45,9620
  Bottom Layer w100: DC-Jack.1@8160,9204.09 8515.91,9560 v4(9110,9560)
12VGND: 0.1 DC-Jack.2 DC-Jack.3 R01.1 R02.1 | length 528.2
  Top Layer w31.5: DC-Jack.2@8160,8960 DC-Jack.2@8207.24,8960 ; DC-Jack.3@8345.04,9097.8 DC-Jack.3@8347.84,9095
  Top Layer w39.37: R01.1@8465,9015 0.1@8465,9095 R02.1@8465,9180
  Top Layer w59.06: DC-Jack.3@8347.84,9095 0.1@8465,9095
  Top Layer w78.74: DC-Jack.2@8207.24,8960 DC-Jack.3@8345.04,9097.8
170V: 4.7U.A 20K.1@16652.73,10432.73 47K.2 240K.1 +.1@11035,10605 +.1@14090,10590 +.2@11035,10845 +.2@14095,10845 C304.2 C305.2 C306.2 C307.2 C308.2 H104.2 pad.2@8560,10005 R31.2 R33.2 R34.2 R38.1 R40.1 VD2.K | length 20832.8
  Top Layer w31.5: v2(12330,10060) 12330,9910 12810,9430 12810,9385 12825,9370 12825,9335 12843.25,9316.75 12843.25,9306.75 12850,9300 12850,9297.17 12870,9277.17 12870,9215 240K.1@12745,9090
  Top Layer w47.24: pad.2@8565,10005 8780,10005
  Top Layer w50: v2(9440,10550) 9445,10550 9505,10490 9505,10046.1 9811.1,9740 4.7U.A@9896.1,9655 ; +.1@11035,10605 +.2@11035,10845 ; +.1@14090,10590 14095,10595 +.2@14095,10845
  Top Layer w100: 47K.2@8700,9705 8700,9840 VD2.K@8739.45,9840
  Top Layer w118.11: VD2.K@8739.45,9840 8739.45,9954.45 8770,9985 9125,9985 9370,9740 9811.1,9740
  Bottom Layer w31.5: v2(12330,10060) 12330,10230 12695,10595 12695,10770 12555,10910 12550.68,10914.32 12550.68,11009.32 12545,11015 12545,11260
  Bottom Layer w50: C304.2@9380,10965 9515,10829.99 9515,10690 9387.5,10562.5 R40.1@9385,10562.5 9397.5,10550 v2(9440,10550) ; C304.2@9385,10970 9425,10970 9880,11425 10655,11425 10800,11280 ; R31.2@10665,10537.5 R31.2@10672.5,10537.5 ; C305.2@10665,10970 10725,10970 10792.5,10902.5 10792.5,10842.5 ; 10802.5,11277.5 10800,11280 ; +.1@11035,10605 10967.5,10537.5 R31.2@10672.5,10537.5 ; R33.2@12362.73,10452.73 12570,10660 12570,10844.99 12555,10909.99 ; C306.2@12370,11040 12424.99,11040 12555,10909.99 ; 12540,11255 12360,11435 10940,11435 10800,11295 10800,11280 ; 12545,11260 12725,11440 12725,11445 13545,11445 13704.99,11285.01 ; 12550.68,11009.32 12555,10910 ; C307.2@13610.96,11064.03 13704.99,10970 ; R34.2@13617.73,10452.73 13710,10545 ; +.1@14090,10590 14090,10565 13730,10565 13710,10545 ; C308.2@15400.96,11059.03 15590,10869.99 ; R38.1@15437.73,10462.73 15600,10625 15600,11250 ; 20K.1@16657.73,10427.73 16845,10615 16845,10884.99 ; H104.2@16675.96,11054.03 16845,10884.99 ; R31.2@10672.5,10537.5 10800,10665 10800,11280 ; 13704.99,10970 13710,10970 13710,10545 ; 13704.99,10970 13704.99,11285.01 ; 13705,11285 13870,11450 15400,11450 15600,11250 ; 15600,11250 15815,11465 16640,11465 16865,11240 16865,10904.99 16845,10884.99
170VGND: 0.2 1n.K 4.7U.K 8.2K.1 10K.2@15550,9556.67 10K.2@16460,9840 10u.1 10u.K 18B20.1 20p.2 100u.K 104.1 1117.1 8266.2 8266IO.K "8266 Serial.4" A42.1 BOOT.5 BOOT.6 C2.1 C6.1 C7.2 C8t6.8 C8t6.23 C8t6.35 C8t6.47 C9.2 C10.2 C11.2 C12.2 C13.2 C15.2 C16.2 C17.2 C18.2 C19.2 C23.1 C24.1 C61.2 C81.2 C102.1 C304.1 C305.1 C306.1 C307.1 C308.1 DS1302.4 ESP8266.9 H104.1 HV57708PG.34 IRF630.3 JP4.4 JP7.3 LED.K LM7805.2 MC34063.4 MCU.1 pad.9 PL2303.7 PL2303.18 PL2303.21 PL2303.25 PL2303.26 POWER.K Q2.1 Q3.1 R01.2 R02.2 R53.1 RGB.3 SWD.4 TXB0108.11 USB.4 USB.5 Vbat.DC- Zener.A | length 23456.3
  Top Layer w10: v2(8430,10545) 8540,10435 8695,10435 8829,10569 RGB.3@8829,10672 ; v2(9755,10245) 10095,10585 RGB.3@10095,10670 ; v2(11535,10295) 11600,10360 11765,10360 11800,10395 11800,10530 11889,10619 RGB.3@11889,10674 ; v1(11965,9005) 11965,8934.44 HV57708PG.34@11968.24,8931.2 ; v2(12615,10435) 12720,10330 12900,10330 13159,10589 RGB.3@13159,10677 ; 104.1@12925,9525 12925,9365 104.1@13010,9280 13085,9355 18B20.1@13085,9473.27 13085,9489.96 13158.23,9416.73 104.1@13260,9416.73 ; 20p.2@14385,9670 14385,9700 14500,9815 14670,9815 14710,9775 20p.2@14710,9685 ; BOOT.6@14465,8800 BOOT.5@14465,8900 ; C8t6.8@14914.29,9380.63 14945.63,9380.63 14985,9420 v2(14985,9440) ; RGB.3@14934,10682 14820,10568 14820,10395 14720,10295 14720,10220 14805,10135 v2(15005,10135) ; v2(14980,9645) 14991.06,9633.94 C8t6.47@14991.06,9575.51 ; C8t6.23@15168.23,9244.8 15168.23,9206.77 v2(15195,9180) ; C8t6.35@15245,9498.74 15353.74,9498.74 15385,9530 15385,9555 C2.1@15400,9570 ; C2.1@15385,9570 C2.1@15400,9570 ; JP4.4@15440,9110 15440,9150 C6.1@15545,9255 ; v2(15440,9560) 15430,9570 C2.1@15400,9570 ; 15450,9835 15450,9620 C2.1@15400,9570 ; v2(15745,10225) 15860,10225 16204,10569 RGB.3@16204,10679 ; v1(16255,9220) 16280,9220 16377.2,9317.2 PL2303.7@16377.2,9366.46 ; PL2303.26@16274.84,9673.54 PL2303.25@16300.43,9673.54 16300.43,9614.57 16305,9610 16395.59,9610 16400,9614.41 ; 8266.2@16385,8765 16385,8958.47 MCU.1@16387.31,8960.79 16445,9018.47 C102.1@16445,9090 ; 8266.2@16390,8785 v2(16530,8785) ; v1(16400,9590) 16400,9614.41 ; PL2303.21@16402.8,9673.54 16402.8,9617.2 ; 10K.2@16460,9840 16480,9820 16480,9673.98 PL2303.18@16479.57,9673.54 16479.57,9619.57 ; v2(16500,9595) 16479.57,9615.43 16479.57,9619.57 ; v2(16625,9195) 16690,9195 v2(16705,9180) ; 104.1@17118,10122 17180,10060 17180,9896.2 8266IO.K@17120,9836.2 ; LED.K@17120,9365 17190,9435 17190,9550 17135,9605 17130,9605 17190,9665 17190,9766.2 8266IO.K@17120,9836.2 ; v2(17200,9800) 17190,9800 17153.8,9836.2 8266IO.K@17120,9836.2 ; 16400,9614.41 16402.8,9617.2 ; 16402.8,9617.2 16410,9610 16470,9610 16479.57,9619.57
  Top Layer w20: 104.1@8830,9290 8.2K.1@8970,9290 ; MC34063.4@9658.35,9605 9780,9605 9955,9430 1n.K@9955,9318.43 ; R53.1@10470,8880 10525,8935 10510,8935 10520,8945 IRF630.3@10520,8990
  Top Layer w31.5: R01.2@8555,9010 v2(8635,9010) ; 0.2@8555,9095 v2(8635,9095) ; R02.2@8555,9180 v2(8635,9180) ; v2@8925,8796.89 v2(8940,8796.89) ; 10u.K@9093.46,8796.89 10u.K@9105,8785.35 ; v2(10855,8835) C12.2@10910,8890 ; v2(12695,9015) 12885,8825 12910,8825 ; Zener.A@12785,9650 12815,9680 13140,9680 13155,9665 v2(13155,9590) ; v2(12920,8895) 12910,8885 12910,8825 ; 104.1@12995,8825 12910,8825 ; C24.1@13500,9075 C23.1@13500,9205 13590,9295 v2(13590,9395) ; 20p.2@14710,9670 14710,9685 v2(14740,9715) ; v2(15005,10135) 15655,10135 v2(15745,10225) ; 15450,9835 15595,9980 15740,9980 v2(15875,9845) ; v2(16680,8710) C15.2@16740,8770 16745,8765 USB.5@16893,8765 ; v1(16840,8875) 16840,8818 USB.5@16893,8765 ; USB.5@16946,8857 16893,8804 USB.5@16893,8765 ; 17077,8870 USB.5@17094,8870 17127,8870 USB.5@17140,8857 17185,8812 v3(17185,8770) ; v2(17105,9300) 17105,9350 LED.K@17120,9365 ; USB.5@17192,8765 USB.5@17091,8765 USB.5@16995,8765 USB.5@16893,8765
  Top Layer w78.74: 100u.K@8795,8796.89 v2@8925,8796.89 ; v2(8940,8796.89) 10u.K@9093.46,8796.89
  Bottom Layer w10: v2(10570,11230) 10575,11230 10665,11140 C305.1@10665,11100 ; v1(11965,9005) C81.2@11965,9090 ; 13608.35,9431.65 13965,9075 Vbat.DC-@13965,9020 ; 10K.2@15550,9556.67 15640,9646.67 C61.2@15640,9665 ; v1(16255,9220) 16280,9220 16402.8,9342.8 16400,9345.59 16400,9405 ; v1(16400,9590) 16400,9405 ; v2(16500,9595) 16540.2,9554.8 ESP8266.9@16554.92,9554.8 ; v2(16530,8785) 16605,8710 v2(16680,8710) ; v2(16625,9195) 16644,9214 16644,9320 16640,9320 16600,9360 16475,9360 16460,9345 16400,9405 ; v2(16705,9180) 16760,9125 16760,9060 16795,9025 20p.2@16825,9025 20p.2@16840,9010 ; 10u.1@17140,9770 17170,9770 v2(17200,9800)
  Bottom Layer w31.5: C19.2@9385,10790 v2(9385,10855) ; C304.1@9385,11100 9385,11210 v2(9585,11410) ; IRF630.3@10520,8990 10520,9060 10590,9130 10825,9130 10900,9055 LM7805.2@10900,8985 ; C16.2@10665,10795 v2(10665,10870) ; v2(10855,8835) 10905,8785 11025,8785 11175,8935 11895,8935 v1(11965,9005) ; C81.2@11965,9090 12135,8920 12485,8920 C11.2@12655,9090 12655,9055 v2(12695,9015) ; C306.1@12279.04,11135.96 12279.04,11189.04 12315,11225 v2(12320,11225) ; C18.2@12445,10805 12445,10890 v2(12450,10895) ; 12910,8925 12920,8915 v2(12920,8895) ; v2(13495,11225) 13519.04,11200.96 C307.1@13519.04,11155.96 ; 1117.1@13573,8960 13578,8965 v2(13645,8965) 13928,8965 Vbat.DC-@13965,9002 Vbat.DC-@13965,9020 ; v2(13590,9395) 13590,9400 13585,9405 13608.35,9428.35 13608.35,9431.65 DS1302.4@13608.35,9486.73 ; C7.2@14320,9380 14320,9220 14380,9160 14605,9160 14650,9205 ; C9.2@14570,9380 14570,9285 14650,9205 ; v2(14740,9715) 14810,9645 v2(14980,9645) 14905,9570 14905,9510 ; v2(14985,9440) 14975,9440 14905,9510 ; C308.1@15309.04,11150.96 15309.04,11209.04 v2(15355,11255) ; v2(15465,10885) 15495,10855 C17.2@15495,10800 ; C61.2@15640,9665 15695,9665 v2(15875,9845) ; H104.1@16584.04,11145.96 16635,11196.92 v2(16635,11200) ; C10.2@16770,10795 v2(16770,10870) ; 20p.2@16825,9025 C13.2@16925,9025 ; 20p.2@16840,9010 v1(16840,8875) v1@16845,8875 ; v2(17105,9300) 17105,9285 10u.1@17140,9250 17183,9293 1117.1@17183,9375 ; 14650,9205 14720,9205 14740,9225 14740,9390 14860,9510 14905,9510
  other v3: 10025,11680 10105,11680 10185,11680
  other v5: 13060,8715
8266_GPIO: ESP8266.4 R103.2 | length 1794.1
  Top Layer w10: v1(16900,9910) 16900,9915 16965,9980 R103.2@17016,9980
  Bottom Layer w10: ESP8266.4@15925,9236.3 15953.7,9236.3 16070,9120 16615,9120 16660,9165 16660,9670 v1(16900,9910)
8266_RXD: "8266 Serial.3" C8t6.22 ESP8266.15 | length 2751.8
  Top Layer w10: v1(15150,9320) 15150,9246.26 C8t6.22@15148.54,9244.8 15148.54,9166.46 15169,9146 15218.37,9146 15550,9477.63 15550,9835
  Bottom Layer w10: v1(15150,9320) 15150,9285 15405,9030 15715,9030 15850,8895 15990,8895 16102.9,9007.9 16102.28,9008.52 16102.28,9031.48 16118.52,9047.72 16141.48,9047.72 16142.1,9047.1 16174.21,9079.21 ESP8266.15@16554.92,9079.21
8266_TXD: "8266 Serial.2" C8t6.21 ESP8266.16 | length 2570.3
  Top Layer w10: C8t6.21@15128.86,9244.8 15128.86,9151.14 15150,9130 15160,9130 ; 15650,9835 15650,9535 15245,9130 15160,9130 ; v1(16150,9005) 16135,9020 16015,9020 16000,9005 15275,9005 15160,9120 15160,9130
  Bottom Layer w10: v1(16150,9005) 16521.18,9005 16536.18,9020 ESP8266.16@16554.92,9001.26